# Altium PCB Wireless_Securty_Detector.PcbDoc (part 2 of 2)
Units mm, origin at the board's own origin, x right, y up, seen from the top; angles counter-clockwise.
Board outline 96 x 95 mm, 4 copper layers (Top Layer, GROUND, POWER, Bottom Layer), stack 1.369 mm thick; 127 components, 88 nets, 439 pads, 111 vias.
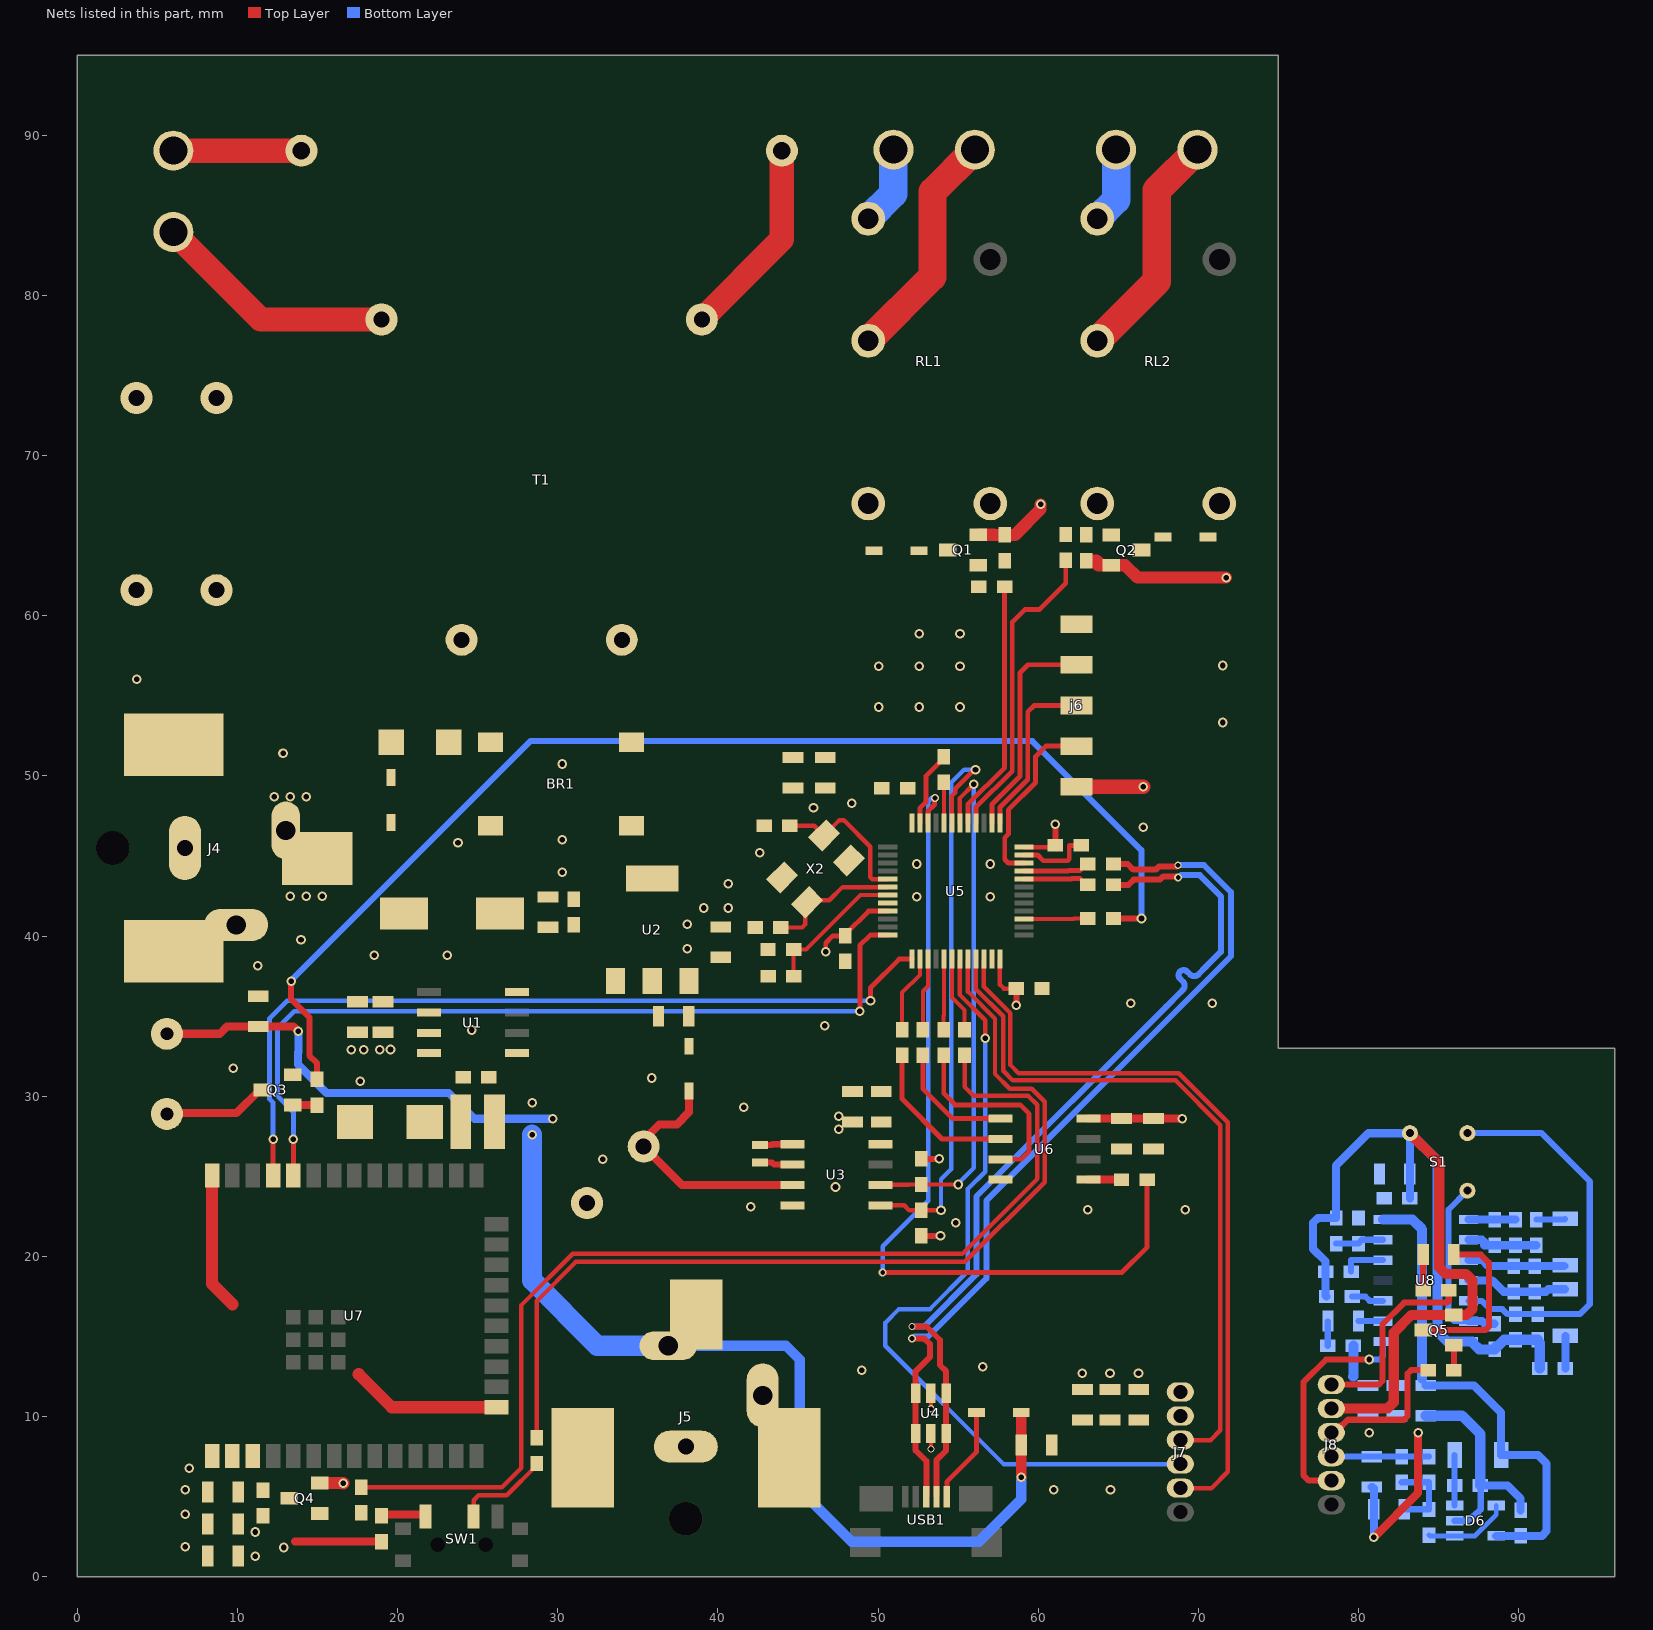
[diagram p4: the nets of this part, all layers, seen from the top]

## Via types
v1: diameter 0.6, hole 0.35, Top Layer to Bottom Layer, 82 vias
v2: diameter 0.6, hole 0.35, Top Layer to Bottom Layer, tented both sides, 21 vias
v3: diameter 0.45, hole 0.3, Top Layer to Bottom Layer, 4 vias
v4: diameter 0.5, hole 0.3, Top Layer to Bottom Layer, 3 vias
v5: diameter 0.5, hole 0.3, Top Layer to Bottom Layer, tented both sides, 1 vias

## Nets (pads, with @x,y where several pads share a name; then routed paths per layer and width w, separated by ;. In a path a pad name is that pad's centre, name@x,y a point inside that pad or via, vN(x,y) a via of type N, cw(c..) or ccw(c..) an arc to the next point about the centre after c; other vN are vias at no path point)
3.3VDC: C8.2 C9.2 C12.2 C13.2 C14.2 C17.2 C18.2 C21.2 C22.2 C23.2 C24.2 C25.2 C26.2 C27.2 C28.2 C29.2 C30.2 C31.2 D5.2 j6.1 J7.1 R17.2 R18.2 R19.1 R21.2 U2.3 U3.8 U4.5 U5.9 U5.24 U5.36 U5.48 U6.8 U7.2 | length 31.1
  Top Layer w0.254: v3(53.3,7.986) U4.5@53.3,8.945
  Top Layer w0.279: U5.24@57.613,38.563 57.613,36.977 57.861,36.728 C27.2@58.636,36.728 ; U5.36@59.113,45.563 60.968,45.563 C26.2@61.074,45.669
  Top Layer w0.305: v1(46.736,39.014) 46.736,39.573 47.18,40.018 C28.2@47.955,40.018 47.955,40.107 49.412,41.563 U5.9@50.613,41.563
  Top Layer w0.381: R17.2@52.71,26.092 v1(53.829,26.092) ; R18.2@52.716,21.285 v1(53.899,21.285) ; v2(58.636,35.682) C27.2@58.636,36.728 ; C26.2@61.074,45.669 v1(61.074,46.99)
  Top Layer w0.508: 13.588,2.2 R21.2@19,2.2 ; U6.8@63.15,28.605 64.296,28.605 C22.2@65.2,28.605 C21.2@67.208,28.605 v1(68.982,28.605)
  Top Layer w0.889: j6.1@62.4,49.32 v1(66.555,49.32)
  other v1: 11.125,1.27 12.903,1.829 11.125,2.794 62.756,12.701 64.483,12.701 66.261,12.701 47.549,27.94 47.549,28.753 38.1,39.218 38.1,40.742 39.116,41.758 40.64,41.758 40.64,43.282
3.3VDC_S: C33.2 C34.2 C38.2 C39.2 C40.2 C45.2 D6.5 J8.1 R24.2 R26.2 R32.2 RT1.2 U8.14 | length 44.8
  Top Layer w0.381: J8.1@78.3,12 81.273,12 81.496,12.223 81.496,15.761 82.855,17.12 85.522,17.12 85.636,17.234 R32.2@85.636,17.882 ; R32.2@85.639,18.085 R32.2@85.649,18.075
  Bottom Layer w0.508: C40.2@84.2,11.95 87.212,11.95 88.9,10.262 RT1.2@88.9,7.6 91.206,7.6 91.745,7.061 91.745,2.85 91.447,2.553 C45.2@90.119,2.553 89.407,2.553 89.404,2.55 D6.5@88.6,2.55
  Bottom Layer w0.635: 79.654,12.497 79.68,12.522 R26.2@79.68,14.427 ; U8.14@81.54,22.31 83.354,22.31 83.972,21.692 83.972,12.398
5VDC: BZ1.2 C3.2 C7.1 C10.2 C11.2 C32.2 D3.1 J5.1 L1.2 U1.4 U2.1 | length 85.3
  Top Layer w0.508: BZ1.2@5.6,33.9 8.9,33.9 9.35,34.35 13.509,34.35 v1(13.809,34.05)
  Top Layer w0.635: v1(58.943,6.224) C3.2@58.943,8.23 D3.1@58.943,10.008
  Bottom Layer w0.508: v1(13.809,34.05) 13.809,32.76 13.783,32.734 13.783,31.988 15.571,30.2 23.2,30.2 24.8,28.6 v1(29.7,28.6)
  Bottom Layer w0.635: J5.1@36.9,14.425 44.249,14.425 45.11,13.564 45.11,5.436 48.362,2.184 56.286,2.184 58.943,4.841 v1(58.943,6.224)
  Bottom Layer w1.27: v1(28.4,27.6) 28.4,18.5 32.475,14.425 J5.1@36.9,14.425
  other v1: 28.4,29.6
12VDC: C4.2 C5.2 D1.1 D2.1 D7.1 J4.1 RL1.5 RL2.4 U1.7
  other v1: 17.1,32.9 17.9,32.9 18.9,32.9 19.558,32.918 13.3,42.5 14.3,42.5 15.3,42.5 12.3,48.7 13.3,48.7 14.3,48.7
AC_LINE_1: J1.1 R1.1 | length 8
  Top Layer w1.524: J1.1@6,89.04 R1.1@14,89.04
AC_LINE_2: J1.2 T1.5 | length 15.3
  Top Layer w1.524: J1.2@6,83.96 11.46,78.5 T1.5@19,78.5
BUZZER: R11.2 R16.1 | length 75
  Top Layer w0.381: v1(13.36,37.186) 13.36,36.068 14.502,34.926 14.502,32.539 14.975,32.066 R16.1@14.975,31.05 ; R11.2@64.7,41.1 65.564,41.1 65.567,41.097 v1(66.446,41.097)
  Bottom Layer w0.381: v1(13.36,37.186) 13.36,37.236 28.296,52.172 59.639,52.172 66.446,45.364 v1(66.446,41.097)
GND: BR1.4 C1.2 C2.2 C3.1 C4.1 C5.1 C7.2 C8.1 C9.1 C10.1 C11.1 C12.1 C13.1 C14.1 C15.1 C16.2 C17.1 C18.1 C19.1 C20.2 C21.1 C22.1 C23.1 C24.1 C25.1 C26.1 C27.1 C28.1 C29.1 C30.1 C31.1 C32.1 D4.A J4.2 J4.3 J5.2 J5.3 j6.5 J7.2 Q1.2 Q2.2 Q3.2 Q4.2 R4.1 R5.1 R9.1 R10.1 U1.6 U2.2 U3.4 U4.2 U5.8 U5.23 U5.35 U5.47 U6.4 U7.1 U7.15 U7.38 X2.2 X2.4 | length 44
  Top Layer w0.254: v3(53.3,10.496) U4.2@53.3,11.455
  Top Layer w0.305: U5.47@52.613,47.063 52.613,47.981 52.984,48.352 52.984,49.987 54.102,51.105 R10.1@54.102,51.194 ; U5.35@59.113,45.063 59.967,45.063 60.326,44.704 61.834,44.704 61.938,44.808 61.938,45.669 C26.1@62.674,45.669
  Top Layer w0.762: U7.38@8.42,25.045 8.42,18.301 9.703,17.018 ; Q4.2@15.15,5.85 16.604,5.85 v1(16.612,5.842) ; 17.577,12.649 19.641,10.585 U7.15@26.18,10.585 ; Q1.2@56.25,65.059 57.243,65.059 57.252,65.05 R4.1@57.9,65.05 58.548,65.05 60.147,66.65 v1(60.147,66.954) ; R5.1@63,63.45 63.648,63.45 63.746,63.352 63.746,63.15 65.426,63.15 66.194,62.382 v1(71.73,62.382)
  other v1: 60.96,5.436 64.516,5.436 48.971,12.903 56.54,13.106 54.864,22.098 63.094,22.911 69.19,22.911 42.062,23.114 47.346,24.333 32.817,26.06 41.605,29.312 35.865,31.14 9.754,31.75 24.638,34.138 46.685,34.392 65.786,35.814 70.866,35.814 11.278,38.151 18.542,38.811 23.114,38.811 13.97,39.776 52.426,42.469 56.998,42.469 52.426,44.501 56.998,44.501 42.621,45.212 23.774,45.822 30.277,46.025 66.548,46.787 30.277,50.749 12.852,51.41 71.526,53.34 3.708,56.032 71.526,56.896
  other v2: 6.756,1.88 6.756,3.912 6.756,5.436 6.998,6.769 17.678,30.937 30.277,43.993 45.974,48.006 48.349,48.298 50.038,54.305 52.578,54.305 55.118,54.305 50.038,56.845 52.578,56.845 55.118,56.845 52.578,58.877 55.118,58.877
GND_S: C33.1 C34.1 C37.1 C38.1 C39.1 C40.1 C43.1 C44.1 C45.1 C46.1 C47.1 D6.2 J8.2 Q5.2 R28.1 R29.1 R30.1 R31.1 R37.1 S1.3 U8.7 | length 93.5
  Top Layer w0.508: v2(80.955,2.459) 83.718,5.222 v2(83.718,8.992)
  Top Layer w0.635: J8.2@78.3,10.5 80.013,10.5 80.028,10.516 81.822,10.516 82.194,10.888 82.194,15.24 83.304,16.35 Q5.2@85.95,16.35 86.75,16.35 87.122,16.722 87.122,18.491 86.716,18.898 85.457,18.898 85.039,19.316 85.039,25.861 S1.3@83.204,27.696
  Bottom Layer w0.381: D6.2@86,3.5 86.804,3.5 86.91,3.587 87.505,4.078 87.63,4.202 87.63,5.497 R37.1@87.6,5.7
  Bottom Layer w0.508: R28.1@78,17.5 77.94,17.56 R29.1@77.94,19.05 77.94,19.698 77.165,20.472 77.165,22.103 77.463,22.4 C37.1@78.6,22.4 78.6,25.666 80.63,27.696 S1.3@83.204,27.696 C34.1@83.204,25.146 83.204,24.263 83.21,24.257 C33.1@83.21,23.622 ; C47.1@80.823,5.6 80.859,5.6 80.955,5.504 C46.1@80.955,4.216 v2(80.955,2.459) ; R37.1@87.6,5.7 89.309,5.7 90.119,4.889 C45.1@90.119,4.153
  Bottom Layer w0.635: S1.3@83.204,27.696 84.938,25.962 84.938,15.291 85.538,14.69 87.105,14.69 87.133,14.662 87.133,14.599 87.532,14.2 C43.1@88.5,14.2 ; C40.1@84.2,10.05 86.47,10.05 87.6,8.92 R37.1@87.6,5.7 ; C43.1@88.5,14.289 88.576,14.365 88.665,14.365 89.1,14.8 R31.1@89.8,14.8 C44.1@91.2,14.8 91.2,14.711 91.313,14.598 R30.1@91.313,13.005
  other v2: 80.67,8.992
LED_DRIVER: J7.3 U5.21 | length 44.4
  Top Layer w0.279: U5.21@56.113,38.563 56.113,36.685 57.81,34.987 57.81,31.598 58.42,30.988 68.58,30.988 71.374,28.194 71.374,9.144 70.767,8.537 J7.3@68.874,8.537
LED_S: J8.3 R33.1 | length 9.2
  Top Layer w0.381: J8.3@78.3,9 78.425,9 78.88,9.456 78.984,9.456 79.333,9.804 82.835,9.804 83.058,10.028 83.058,12.68 83.281,12.903 R33.1@84.353,12.903
LIGHT_1_GND: J2.2 RL1.3 | length 5
  Bottom Layer w1.778: RL1.3@49.39,84.79 50.96,86.36 J2.2@50.96,89.1
LIGHT_1_VCC: J2.1 RL1.2 | length 14.7
  Top Layer w1.778: RL1.2@49.39,77.17 53.4,81.18 53.4,86.46 J2.1@56.04,89.1
LIGHT_2_GND: J3.2 RL2.3 | length 4.8
  Bottom Layer w1.778: RL2.3@63.69,84.79 64.86,85.96 J3.2@64.86,89.1
LIGHT_2_VCC: J3.1 RL2.2 | length 14.5
  Top Layer w1.778: RL2.2@63.69,77.17 67.4,80.88 67.4,86.56 J3.1@69.94,89.1
MCU_N: R6.1 U5.32 | length 4.2
  Top Layer w0.305: U5.32@59.113,43.563 60.591,43.563 61.62,43.563 62.068,43.563 62.099,43.593 62.618,43.593 63.011,43.2 R6.1@63.1,43.2
MCU_P: R7.1 U5.33 | length 4.2
  Top Layer w0.305: U5.33@59.113,44.063 60.554,44.063 60.554,44.076 61.856,44.076 61.886,44.107 62.618,44.107 63.011,44.5 R7.1@63.1,44.5
NetBR1_1: BR1.1 T1.9
NetBR1_2: BR1.2 T1.7
NetBR1_3: BR1.3 F1.1
NetBZ1_1: BZ1.1 Q3.3 | length 6.6
  Top Layer w0.508: BZ1.1@5.6,28.9 5.656,28.956 9.956,28.956 11.4,30.4 Q3.3@11.55,30.4
NetC1_1: C1.1 C2.1 D7.2 F1.2
NetC6_1: C6.1 U1.1
NetC6_2: C6.2 D4.C L1.1 U1.8
NetC15_2: C15.2 U5.5 X2.3 | length 9.4
  Top Layer w0.279: C15.2@44.5,46.9 46.016,46.9 X2.3@46.63,46.286 47.588,47.244 47.854,47.244 49.511,45.587 49.511,43.684 49.632,43.563 U5.5@50.613,43.563
NetC16_1: C16.1 D5.1 U3.3 | length 15.5
  Top Layer w0.508: D5.1@38.202,30.322 38.202,29.007 37.44,28.245 36.341,28.245 35.368,27.271 C16.1@35.368,26.868 37.771,24.465 U3.3@44.65,24.465
NetC19_2: C19.2 U5.6 X2.1 | length 8.5
  Top Layer w0.279: C19.2@43.929,40.538 45.259,40.538 45.446,40.725 45.446,41.99 X2.1@45.57,42.114 45.693,42.238 46.958,42.238 47.784,43.063 U5.6@50.613,43.063
NetC35_1: C35.1 R23.1 R25.2 U8.2 | length 4.5
  Bottom Layer w0.508: U8.2@86.86,21.04 87.704,21.04 87.852,20.892 87.852,20.7 C35.1@88.5,20.7 R23.1@89.8,20.7 R25.2@91.1,20.7
NetC35_2: C35.2 R23.2 U8.1 | length 2.9
  Bottom Layer w0.508: U8.1@86.86,22.31 87.704,22.31 87.714,22.3 C35.2@88.5,22.3 R23.2@89.8,22.3
NetC36_1: C36.1 C41.2 R27.2 U8.3 | length 6.1
  Bottom Layer w0.508: U8.3@86.86,19.77 87.723,19.77 88.093,19.4 R27.2@89.7,19.4 C41.2@91,19.4 ; C41.2@91.004,19.404 C36.1@92.846,19.404
NetC36_2: C36.2 R25.1 | length 1.8
  Bottom Layer w0.381: R25.1@91.1,22.3 92.85,22.3 C36.2@92.9,22.35
NetC37_2: C37.2 R24.1 U8.13 | length 3.1
  Bottom Layer w0.381: C37.2@78.6,20.8 R24.1@80,20.8 80,20.837 80.203,21.04 U8.13@81.54,21.04
NetC41_1: C41.1 C42.2 R27.1 U8.4 | length 6.4
  Bottom Layer w0.508: U8.4@86.86,18.5 88.352,18.5 89.052,17.8 R27.1@89.7,17.8 C41.1@91,17.8 91.696,17.8 91.846,17.95 C42.2@92.9,17.95
NetC42_1: C42.1 R30.2 | length 2
  Bottom Layer w0.508: R30.2@92.913,13.005 C42.1@92.913,15.037
NetC43_2: C43.2 S1.1 U8.6 | length 11.4
  Bottom Layer w0.381: S1.1@86.796,24.104 85.623,22.931 85.623,16.307 85.97,15.96 U8.6@86.86,15.96
  Bottom Layer w0.508: U8.6@86.86,15.96 87.704,15.96 87.864,15.8 C43.2@88.5,15.8
NetC44_2: C44.2 R31.2 S1.2 U8.5 | length 24.7
  Bottom Layer w0.381: S1.2@86.796,27.696 91.43,27.696 94.437,24.689 94.437,17.018 93.819,16.4 C44.2@91.2,16.4 89.297,16.4 88.983,16.715 88.219,16.715 87.704,17.23 U8.5@86.86,17.23
NetC46_2: C46.2 R34.1 R35.2 R36.1 | length 5
  Bottom Layer w0.381: R36.1@82.7,5.9 83.348,5.9 R34.1@84.4,5.9 R35.2@84.4,4.2 ; C46.2@82.856,4.216 84.383,4.216 R35.2@84.4,4.2
NetD1_2: D1.2 Q1.3 RL1.4
NetD2_2: D2.2 Q2.3 RL2.5
NetD3_2: D3.2 USB1.1 | length 6
  Top Layer w0.305: USB1.1@54.3,5 54.3,5.929 56.143,7.772 D3.2@56.143,10.262
NetD6_1: D6.1 D6.4 R35.1 | length 5.3
  Bottom Layer w0.305: R35.1@84.4,2.6 84.45,2.55 D6.1@86,2.55 87.269,2.55 88.6,3.881 D6.4@88.6,4.45
NetD6_3: D6.3 R37.2 RT1.1 | length 3.2
  Bottom Layer w0.381: D6.3@86,4.45 R37.2@86,5.7 RT1.1@86,7.6
NetJ7_5: J7.5 U5.22 | length 47.5
  Top Layer w0.279: U5.22@56.613,38.563 56.613,36.831 58.268,35.177 58.268,31.953 58.776,31.445 66.65,31.445 67.042,31.445 68.769,31.445 71.831,28.383 71.831,26.656 71.831,26.264 71.831,6.553 70.815,5.537 J7.5@68.874,5.537
NetJ8_5: J8.5 U8.8 | length 14.3
  Top Layer w0.381: J8.5@78.3,6 76.906,6 76.556,6.35 76.556,12.151 77.968,13.564 v2(80.67,13.564)
  Bottom Layer w0.381: v2(80.67,13.564) 81.311,13.564 81.534,13.787 81.534,14.14 81.54,14.146 U8.8@81.54,14.69
NetLED1_1: LED1.1 U8.9 | length 1.5
  Bottom Layer w0.381: LED1.1@80,15.96 U8.9@81.54,15.96
NetLED1_2: LED1.2 R26.1 | length 1.5
  Bottom Layer w0.381: R26.1@78.08,14.427 LED1.2@78.08,15.94
NetLED2_1: LED2.1 Q5.3 | length 10.6
  Top Layer w0.381: Q5.3@84.05,15.4 87.915,15.4 88.138,15.623 88.138,19.609 87.63,20.117 LED2.1@85.938,20.117
NetLED2_2: LED2.2 R32.1 | length 2.2
  Top Layer w0.381: R32.1@84.036,17.882 84.036,19.21 84.038,19.213 LED2.2@84.038,20.117
NetQ1_1: Q1.1 R2.2 R4.2
NetQ2_1: Q2.1 R3.2 R5.2
NetQ3_1: Q3.1 R16.2 | length 1.5
  Top Layer w0.508: Q3.1@13.45,29.45 R16.2@14.975,29.45
NetQ4_1: Q4.1 R20.2
NetQ5_1: Q5.1 R33.2 | length 1.5
  Top Layer w0.381: Q5.1@85.95,14.45 85.95,13.796 85.954,13.792 R33.2@85.954,12.903
NetR1_2: R1.2 T1.1 | length 12.6
  Top Layer w1.524: T1.1@39,78.5 44,83.5 R1.2@44,89.04
NetR2_1: R2.1 U5.41 | length 15.7
  Top Layer w0.305: U5.41@55.613,47.063 55.613,48.226 57.899,50.513 R2.1@57.899,61.824
NetR3_1: R3.1 U5.40 | length 19.3
  Top Layer w0.305: U5.40@56.113,47.063 56.113,48.036 58.382,50.305 58.382,59.601 59.182,60.401 60.096,60.401 61.722,62.027 R3.1@61.722,63.475
NetR8_1: R8.1 U5.18 | length 4.7
  Top Layer w0.254: U5.18@54.613,38.563 54.613,36.167 55.4,35.38 R8.1@55.4,34.16
NetR10_2: R10.2 U5.44 | length 2.5
  Top Layer w0.254: R10.2@54.102,49.593 54.119,49.238 54.119,48.387 54.113,48.042 U5.44@54.113,47.063
NetR11_1: R11.1 U5.27 | length 4
  Top Layer w0.254: U5.27@59.113,41.063 62.199,41.063 62.236,41.1 R11.1@63.1,41.1
NetR12_1: R12.1 U6.1 | length 7.7
  Top Layer w0.305: R12.1@52.8,32.56 52.8,30.461 54.656,28.605 U6.1@57.65,28.605
NetR13_1: R13.1 U6.3 | length 12.6
  Top Layer w0.305: R13.1@54.1,32.56 54.1,30.177 54.813,29.464 58.877,29.464 59.436,28.905 59.436,26.568 58.933,26.065 U6.3@57.65,26.065
NetR14_1: R14.1 U6.2 | length 9.9
  Top Layer w0.305: R14.1@51.5,32.56 51.5,29.831 53.996,27.335 U6.2@57.65,27.335
NetR15_1: R15.1 U6.5 | length 2.1
  Top Layer w0.508: U6.5@63.15,24.795 64.154,24.795 64.159,24.8 R15.1@65.2,24.8
NetR21_1: R21.1 SW1.1 | length 2.9
  Top Layer w0.508: R21.1@19,3.8 19.092,3.892 21.629,3.892 21.75,3.771 SW1.1@21.75,3.75
NetR22_2: R22.2 SW1.2 | length 6
  Top Layer w0.279: SW1.2@24.75,3.75 24.75,4.786 25.057,5.093 26.81,5.093 28.702,6.985 R22.2@28.702,7.074
NetR28_2: R28.2 U8.10 | length 2.1
  Bottom Layer w0.381: R28.2@79.6,17.5 80.426,17.5 80.696,17.23 U8.10@81.54,17.23
NetR29_2: R29.2 U8.12 | length 2.7
  Bottom Layer w0.381: R29.2@79.54,19.05 79.54,19.698 79.541,19.699 79.541,19.77 U8.12@81.54,19.77
NetU3_1: U3.1 X1.2 | length 2
  Top Layer w0.381: X1.2@42.621,26.966 43.375,26.966 43.414,27.005 U3.1@44.65,27.005
NetU3_2: U3.2 X1.1 | length 2.1
  Top Layer w0.381: X1.1@42.621,25.866 43.374,25.866 43.505,25.735 U3.2@44.65,25.735
NRST: C20.1 R9.2 U5.7 | length 9
  Top Layer w0.254: C20.1@44.733,37.491 44.733,38.266 44.729,38.392 R9.2@44.729,39.167 45.517,39.167 48.913,42.563 U5.7@50.613,42.563
RTC_SCL: R17.1 U3.6 U5.42 | length 33
  Top Layer w0.279: U3.6@50.15,24.465 51.908,24.465 51.935,24.492 R17.1@52.71,24.492 v1(55.01,24.492) ; U5.42@55.113,47.063 55.113,48.618 v1(55.978,49.483)
  Bottom Layer w0.279: v1(55.01,24.492) 55.01,24.556 55.978,25.524 v1(55.978,49.483)
RTC_SDA: R18.1 U3.5 U5.43 | length 36.7
  Top Layer w0.279: U3.5@50.15,23.195 51.632,23.195 51.935,22.892 R18.1@52.71,22.892 v1(53.931,22.892) ; U5.43@54.613,47.063 54.613,48.764 54.813,48.965 54.813,49.191 56.016,50.394 v1(56.083,50.394)
  Bottom Layer w0.279: v1(53.931,22.892) 53.931,24.823 54.559,25.451 54.559,49.581 55.372,50.394 v1(56.083,50.394)
SENSOR_ON/OFF: R22.1 U5.20 | length 60
  Top Layer w0.279: R22.1@28.702,8.674 28.702,17.221 31.14,19.66 55.423,19.66 60.401,24.638 60.401,29.667 59.588,30.48 58.217,30.48 57.302,31.394 57.302,34.849 55.613,36.538 U5.20@55.613,38.563
SWCLK: j6.3 U5.37 | length 10.9
  Top Layer w0.305: U5.37@57.613,47.063 57.613,48.044 59.347,49.778 59.347,54 59.747,54.4 j6.3@62.4,54.4
SWDIO: j6.2 U5.34 | length 11.4
  Top Layer w0.305: U5.34@59.113,44.563 58.132,44.563 57.912,44.783 57.912,46.145 58.136,46.369 58.136,47.884 59.83,49.578 59.83,51.206 60.483,51.86 j6.2@62.4,51.86
TDI: j6.4 U5.38 | length 13.8
  Top Layer w0.305: U5.38@57.113,47.063 57.113,48.226 58.864,49.978 58.864,56.439 59.366,56.94 j6.4@62.4,56.94
TEMP_ADC: C47.2 J8.4 R34.2 R36.2 | length 6.1
  Bottom Layer w0.381: J8.4@78.3,7.5 79.919,7.5 C47.2@80.823,7.5 R36.2@82.7,7.5 83.348,7.5 R34.2@84.4,7.5
TEMP_IN_CS: R14.2 U5.14 | length 4.9
  Top Layer w0.254: R14.2@51.5,34.16 51.5,36.469 52.613,37.582 U5.14@52.613,38.563
TEMP_IN_OT: R15.2 U5.46 | length 54.2
  Top Layer w0.305: v4(50.292,18.999) 65.227,18.999 66.8,20.572 R15.2@66.8,24.8 ; U5.46@53.113,47.063 53.113,47.798 53.527,48.213 53.527,48.59 v5(53.565,48.628)
  Bottom Layer w0.305: v4(50.292,18.999) 50.292,20.625 53.137,23.47 53.137,48.404 53.36,48.628 v5(53.565,48.628)
TEMP_IN_SCLK: R12.2 U5.15 | length 4.5
  Top Layer w0.254: R12.2@52.8,34.16 52.8,36.557 53.113,36.87 U5.15@53.113,38.563
TEMP_IN_SIO: R13.2 U5.17 | length 4.4
  Top Layer w0.254: R13.2@54.1,34.16 54.1,35.024 54.113,35.037 U5.17@54.113,38.563
TEMPERATURE_ADC: J7.4 U5.19 | length 50
  Top Layer w0.279: U5.19@55.113,38.563 55.113,36.327 56.685,34.755 v1(56.685,33.63)
  Bottom Layer w0.279: v1(56.685,33.63) 56.685,25.293 55.606,24.215 55.606,19.07 53.249,16.713 51.308,16.713 50.444,15.85 50.444,14.427 57.835,7.037 J7.4@68.874,7.037
USB_N: R6.2 U4.1 U4.6 USB1.2 | length 56.4
  Top Layer w0.373: v3(52.121,15.626) 53.025,15.626 53.867,14.784 53.867,13.716 53.867,13.21 54.25,12.826 U4.1@54.25,11.455 U4.6@54.25,8.945 54.25,7.888 53.639,7.277 53.639,5.011 USB1.2@53.65,5 ; R6.2@64.7,43.2 65.637,43.2 65.957,43.52 67.599,43.52 67.81,43.731 68.578,43.731 68.649,43.66 v4(68.738,43.66)
  Bottom Layer w0.373: v3@52.155,15.626 52.875,15.626 56.134,18.885 56.134,23.741 67.987,35.594 68.901,36.509 69.033,36.641 ccw(c68.769,36.905) 69.033,37.169 68.859,37.343 cw(c69.081,37.565) 68.859,37.786 cw(c69.081,37.565) 69.303,37.786 69.477,37.612 ccw(c69.741,37.876) 70.005,37.612 70.472,38.079 71.407,39.014 71.407,39.624 71.407,42.062 71.407,42.487 70.091,43.802 69.782,43.802 68.914,43.802 68.772,43.66 v4(68.738,43.66)
USB_P: R7.2 U4.3 U4.4 USB1.3 | length 56.3
  Top Layer w0.373: v4(52.121,14.872) 52.891,14.872 53.17,14.593 53.24,14.524 53.24,13.716 52.35,12.826 U4.3@52.35,11.455 U4.4@52.35,8.945 52.35,7.888 53.011,7.227 53.011,5.011 USB1.3@53,5 ; R7.2@64.7,44.5 65.591,44.5 65.943,44.147 67.339,44.147 67.551,44.359 68.661,44.359 v3(68.732,44.429)
  Bottom Layer w0.373: v4(52.121,14.872) 52.155,14.872 52.282,14.999 53.135,14.999 56.761,18.625 56.761,23.481 72.034,38.755 72.034,42.746 70.351,44.429 69.479,44.429 v3@68.767,44.429
WIFI_EN: R8.2 R20.1 | length 67.7
  Top Layer w0.279: R20.1@17.729,5.588 26.518,5.588 27.737,6.807 27.737,16.967 30.937,20.168 55.27,20.168 59.944,24.841 59.944,29.464 59.385,30.023 55.982,30.023 55.4,30.604 R8.2@55.4,32.56
WIFI_OUT: Q4.3 R19.2 U7.3
WIFI_RXD: U5.12 U7.34 | length 52.5
  Top Layer w0.305: U7.34@13.5,25.045 v1(13.5,27.318) ; v1(48.87,35.306) 48.87,39.421 49.512,40.063 U5.12@50.613,40.063
  Bottom Layer w0.305: v1(13.5,27.318) 13.5,29.02 12.497,30.023 12.497,34.239 13.564,35.306 v1(48.87,35.306)
WIFI_TXD: U5.13 U7.35 | length 52
  Top Layer w0.305: U7.35@12.23,25.045 v1(12.23,27.318) ; v1(49.53,35.966) 49.53,36.779 51.314,38.563 U5.13@52.113,38.563
  Bottom Layer w0.305: v1(12.23,27.318) 12.23,29.607 12.014,29.823 12.014,34.87 13.11,35.966 v1(49.53,35.966)
pads on no net: J4. J5. J7.6 J8.6 RL1.1 RL2.1 SW1. SW1.3 U1.2 U1.3 U1.5 U3.7 U5.1 U5.2 U5.3 U5.4 U5.10 U5.11 U5.16 U5.25 U5.26 U5.28 U5.29 U5.30 U5.31 U5.39 U5.45 U6.6 U6.7 U7.4 U7.5 U7.6 U7.7 U7.8 U7.9 U7.10 U7.11 U7.12 U7.13 U7.14 U7.16 U7.17 U7.18 U7.19 U7.20 U7.21 U7.22 U7.23 U7.24 U7.25 U7.26 U7.27 U7.28 U7.29 U7.30 U7.31 U7.32 U7.33 U7.36 U7.37 U8.11 USB1. USB1.4 USB1.5

## Polygon pours and split planes (outlines as drawn)
GND on Top Layer "GND_L01_P012" (solid, remove dead copper, pour order 12): 1.93,75.844 0.711,74.625 0.711,28.905 3.556,26.06 27.483,26.06 28.194,25.349 28.194,3.759 31.191,0.762 31.242,0.813 72.441,0.813 74.524,2.896 74.524,57.861 71.374,61.011 52.426,61.011 45.263,53.848 12.598,53.848 6.248,60.198 6.248,74.524 4.928,75.844
GND_S on Top Layer "GND_S_L01_P016" (solid, remove dead copper, pour order 16): 76.759,32.258 94.336,32.258 95.352,31.242 95.352,6.678 90.024,6.678 89.334,5.988 89.334,0.66 77.165,0.66 76.219,1.606 76.219,31.719
5VDC on Top Layer "Top Layer-5VDC" (solid, pour order 6): 25.4,26.6 25.6,26.4 29.4,26.4 31.3,28.3 31.3,37.1 28.4,40 28.5,39.9 30.8,39.9 32.4,38.3 32.4,36.4 32.8,36 34.3,36 34.5,36.2 34.5,38.4 31.6,41.3 28.8,41.3 28.4,41.7 28.4,42.9 24.5,42.9 24.3,42.7 24.3,40.2 26.1,38.4 26.1,36 26.3,35.8 28.5,35.8 29.3,35 29.3,30.9 28.8,30.4 25.4,30.4
NetBR1_1 on Top Layer "NETBR1_1_L01_P001" (solid, pour order 1): 32.3,59.3 33.2,60.2 35.3,60.2 39.624,55.876 39.624,47.824 37.4,45.6 33.5,45.6 33.1,46 33.1,47.6 33.6,48.1 35.9,48.1 37.1,49.3 37.1,53.28 35.3,54.9 34.966,55.262 34.7,55.5 32.3,57.643
3.3VDC on Top Layer "3.3VDC_L01_P007" (solid, pour order 7): 37.033,32.715 37.033,32.385 37.219,32.106 38.811,32.106 39.065,32.36 39.065,39.319 39.573,39.827 41.148,39.827 41.554,40.234 41.554,47.904 43.84,50.19 50.952,50.19 51.156,49.987 51.156,48.666 51.867,47.955 51.867,46.431 52.273,46.431 52.273,48.158 52.273,48.362 52.476,48.565 52.476,49.936 50.444,51.968 43.739,51.968 41.046,49.276 40.335,48.565 40.335,45.212 37.033,41.91
GND on Top Layer "Top Layer-GND" (solid, pour order 11): 8.484,0.508 8.839,0.508 8.992,0.66 8.992,8.585 9.072,8.615 12.395,11.938 17.78,11.938 18.288,12.446 18.288,17.424 17.729,17.983 10.058,17.983 7.671,15.596 7.671,9.48 5.994,7.803 5.994,1.422 6.909,0.508
NetC1_1 on Top Layer "NETC1_1_L01_P003" (solid, pour order 3): 18.2,49.3 7.7,59.8 6.9,60.6 6.9,75 7.2,75.3 9.9,75.3 10.2,75 10.496,62.228 18.858,53.6 20.822,53.6 21.2,53.222 21.2,49.3 20.7,48.8 18.7,48.8
NetBR1_2 on Top Layer "NETBR1_2_L01_P000" (solid, pour order 0): 23.216,60.3 22.5,59.584 22.5,57.307 23.062,56.745 26.511,56.549 32.475,50.851 35.651,50.851 36.119,51.319 36.119,52.881 35.711,53.289 33.711,53.289 26.7,60.3
GND on Bottom Layer (solid, pour order 19): 5.74,1.168 6.299,0.61 72.695,0.61 73.558,1.473 73.558,60.35 72.796,61.112 51.359,61.112 44.044,53.797 8.585,53.797 5.944,56.439 5.944,62.078 4.724,63.297 2.184,63.297 0.559,61.671 0.559,39.699 3.164,37.055 9.84,36.955 10.414,36.373 12.954,36.373 12.954,29.915 14.768,28.029 23.467,27.689 26.822,24.333 26.822,5.537 26.111,4.826 7.934,4.826 7.759,5.001 7.759,7.072 7.318,7.512 6.544,7.512 5.754,6.723 5.754,4.484 5.74,4.47
GND_S on Bottom Layer "GND_S_L04_P017" (solid, remove dead copper, pour order 17): 76.759,32.258 94.336,32.258 95.352,31.242 95.352,1.676 94.336,0.66 77.165,0.66 76.219,1.606 76.219,31.719
3.3VDC on POWER (split plane): 12.751,54.153 46.177,54.153 46.177,69.596 73.937,69.596 73.937,0.51 0.51,0.51 0.51,5.69 8.89,5.69 8.89,26.06 0.51,26.06 0.51,75.235 12.751,75.235
12VDC on POWER (split plane): 51.518,67.883 51.518,65.6 51.528,65.527 51.556,65.459 51.601,65.401 53.501,63.501 53.559,63.456 53.627,63.428 53.7,63.418 65.9,63.418 65.973,63.428 66.021,63.448 66.041,63.456 66.099,63.501 68.499,65.901 68.544,65.959 68.572,66.027 68.582,66.1 68.582,67.183 70.017,68.618 71.983,68.618 72.918,67.683 72.918,62.141 71.659,60.882 56.942,60.882 56.869,60.872 56.801,60.844 56.743,60.799 43.526,47.582 22.764,47.582 22.691,47.572 22.623,47.544 22.564,47.499 20.476,45.411 20.432,45.353 20.423,45.333 20.403,45.285 20.394,45.212 20.394,37.897 20.394,33.934 20.394,32.019 20.254,31.879 16.319,31.879 15.369,32.829 15.369,39.012 15.361,39.077 15.36,39.085 15.348,39.113 15.332,39.153 15.321,39.167 15.287,39.212 11.382,43.117 11.382,50.183 12.117,50.918 15.583,50.918 17.201,49.301 17.259,49.256 17.327,49.228 17.4,49.218 42.794,49.218 42.867,49.228 42.935,49.256 42.994,49.301 47.545,53.852 47.57,53.885 47.59,53.91 47.601,53.938 47.618,53.978 47.627,54.051 47.627,68.529 48.117,69.018 50.383,69.018
3.3VDC_S on POWER (split plane): 95.49,0.51 76.075,0.51 76.075,32.49 95.49,32.49
5VDC on POWER (split plane): 31.621,30.169 31.621,28.403 28.38,25.163 28.333,25.105 28.297,25.039 28.276,24.967 28.268,24.892 28.268,19.355 28.276,19.28 28.297,19.208 28.333,19.142 28.38,19.084 30.209,17.255 30.267,17.208 30.333,17.172 30.405,17.151 30.48,17.143 38.805,17.143 40.156,15.793 40.156,14.179 38.246,12.27 28.759,12.27 26.189,14.84 26.189,29.763 27.032,30.605 31.185,30.605
GND_S on GROUND (split plane): 95.49,0.51 76.126,0.51 76.126,32.49 95.49,32.49
GND on GROUND (split plane): 12.751,54.153 46.177,54.153 46.177,69.596 73.836,69.596 73.836,0.51 0.51,0.51 0.51,5.74 8.992,5.74 8.992,25.959 0.51,25.959 0.51,75.235 12.751,75.235

## Keep-outs
Keep-Out Layer:
  the board outline again, w0.254

## Other copper
Top Layer:
  region: 94.261,4.718 94.227,4.54 94.196,4.315 93.829,4.126 93.948,4.062 94.191,3.948 94.214,3.797 94.252,3.541 94.451,3.74 94.544,3.833 94.953,3.763 94.757,4.124 94.852,4.305 94.941,4.493 94.757,4.46 94.549,4.429 94.4,4.571
  region: 93.71,5.143 93.66,5.224 93.54,5.387 93.417,5.519 93.273,5.642 93.118,5.75 92.903,5.867 92.753,5.928 92.549,5.989 92.387,6.018 92.303,6.026 91.86,6.025 91.606,5.97 91.349,5.876 91.044,5.696 90.857,5.546 90.677,5.354 90.531,5.147 90.446,4.983 90.364,4.776 90.303,4.584 90.275,4.385 90.272,4.15 90.273,3.984 90.288,3.853 90.315,3.74 90.369,3.561 90.457,3.357 90.533,3.218 90.601,3.112 90.727,2.957 90.886,2.799 91.071,2.655 91.22,2.563 91.4,2.475 91.601,2.403 91.799,2.356 91.999,2.339 92.245,2.339 92.429,2.355 92.633,2.4 92.855,2.482 93.156,2.647 93.308,2.759 93.494,2.938 93.609,3.074 93.71,3.227 93.701,3.232 93.67,3.207 93.621,3.16 93.535,3.081 93.423,2.992 93.132,2.841 92.95,2.785 92.83,2.762 92.753,2.754 92.479,2.751 92.213,2.801 91.91,2.93 91.675,3.095 91.484,3.294 91.396,3.42 91.336,3.52 91.275,3.656 91.222,3.807 91.191,3.949 91.188,4.419 91.243,4.622 91.319,4.813 91.437,5.014 91.57,5.173 91.755,5.342 91.997,5.486 92.191,5.562 92.463,5.618 92.787,5.616 92.979,5.579 93.194,5.504 93.389,5.398 93.527,5.294 93.666,5.178 93.708,5.144
  region net NetJ8_5: 77.267,6.198 77.724,6.655 78.943,6.655 79.197,6.401 79.197,5.639 78.892,5.334 77.724,5.334 77.267,5.791 77.267,5.842
  region net 3.3VDC_S: 79.197,12.168 79.197,11.836 79.144,11.709 78.842,11.406 77.673,11.406 77.419,11.66 77.419,12.422 77.622,12.625 78.892,12.625 79.089,12.428
  region net LED_S: 79.248,9.195 79.248,8.788 78.842,8.382 77.673,8.382 77.419,8.636 77.419,9.5 77.572,9.652 78.892,9.652 79.176,9.368
  region net GND_S: 79.197,10.82 79.197,10.668 79.197,10.262 78.842,9.906 77.673,9.906 77.419,10.16 77.419,10.922 77.622,11.125 78.892,11.125
  pour cut-out: 28.296,39.776 31.598,39.776 32.563,38.811 32.563,35.509 32.309,35.255 30.531,35.255 28.296,37.49 28.296,39.726
  pour cut-out: 63.551,45.263 69.24,45.263 69.698,44.806 69.698,43.282 68.936,42.52 60.757,42.52 59.995,43.282 59.995,45.009 60.3,45.314 63.5,45.314
  region net NetD1_2: 51.968,63.5 55.016,63.5 55.118,63.602 55.118,65.684 55.22,65.786 57.963,65.786 58.572,66.396 58.572,68.021 58.217,68.377 55.677,68.377 51.765,64.465 55.677,68.377 51.765,64.465 51.765,63.703
  region net 12VDC: 22.8,34.5 20.1,34.5 19.7,34.9 16.7,34.9 16.5,34.7 16.5,32.9 16.9,32.5 20.1,32.5 20.3,32.7 20.3,33.3 20.4,33.4 22.8,33.4 23,33.6 23,34.3
  region net 3.3VDC: 9.144,0.965 9.55,0.559 12.802,0.559 14.224,1.981 14.224,2.438 13.792,2.87 13.284,2.87 12.421,2.87 12.192,3.099 12.192,4.318 12.04,4.47 11.024,4.47 10.668,4.826 10.668,5.842 10.262,6.248 10.262,8.433 10.16,8.534 9.347,8.534 9.144,8.331
  region net NetQ4_1: 14.732,4.674 14.427,4.369 14.427,3.454 14.58,3.302 18.085,3.302 18.288,3.505 18.288,4.42 18.034,4.674 15.951,4.674
  region net WIFI_OUT: 10.617,8.534 10.465,8.382 10.465,6.655 11.176,5.944 11.176,4.877 11.227,4.826 12.243,4.826 12.649,4.42 13.919,4.42 13.97,4.47 13.97,5.436 13.868,5.537 12.751,5.537 11.532,6.756 11.532,8.382 11.379,8.534 11.074,8.534
  region net 12VDC: 70.764,68.529 69.698,67.462 69.698,64.516 70.002,64.211 71.679,64.211 72.695,65.227 72.695,68.123 72.288,68.529 70.815,68.529
  region net NetD2_2: 62.738,65.888 62.484,66.142 62.484,67.818 62.941,68.275 65.43,68.275 68.529,65.176 68.529,64.516 67.564,63.551 65.888,63.551 65.735,63.703 65.735,65.43 65.278,65.888
  region net NetQ2_1: 61.011,65.583 61.011,64.516 61.112,64.414 65.176,64.414 65.329,64.567 65.329,65.532 65.176,65.684 61.112,65.684
  region net NetQ1_1: 55.524,63.551 55.524,61.519 55.88,61.163 56.744,61.163 57.099,61.519 57.099,62.23 57.455,62.586 58.318,62.586 58.725,62.992 58.725,63.856 58.42,64.16 56.134,64.16 55.778,63.805 56.134,64.16 55.778,63.805
  region net 12VDC: 48.006,68.58 47.803,68.377 47.803,64.465 48.971,63.297 50.343,63.297 51.054,64.008 51.054,68.174 50.648,68.58 49.987,68.58 50.648,68.58 49.987,68.58
  region net 3.3VDC: 61.537,11.38 61.537,12.65 62.045,13.158 67.328,13.158 67.503,12.983 67.503,12.65 67.503,12.271 67.581,12.193 69.614,12.193 69.817,11.989 69.817,11.481 69.817,11.38 69.817,11.137 69.818,11.122 69.609,10.923 61.994,10.923
  region net 3.3VDC: 50.851,29.159 51.156,28.854 51.156,26.721 51.003,26.568 48.412,26.568 47.092,27.889 47.092,28.854 47.396,29.159 50.8,29.159
  region net NetC6_1: 25.617,33.2 25.1,32.724 25.1,30.7 25.2,30.6 26.5,30.6 28.3,30.6 28.4,30.7 28.4,32.3 28.4,33.1 28.3,33.2
  region net NetC6_2: 20.8,32.9 21,33.1 23,33.1 23.1,33 23.1,31.9 23.2,31.8 24.7,31.8 24.8,31.7 24.8,26.3 24.7,26.2 20.6,26.2 20.3,26.5 20.3,30.7 20.8,31.2 20.8,31.9
  region net 12VDC: 19.721,48.3 15.2,48.3 14.4,49.1 12.7,49.1 11.8,49.1 11.6,48.9 11.6,48 11.6,43.1 12.6,42.1 16.6,42.1 17.7,43.2 17.7,45.1 17.9,45.3 19.8,45.3 20.269,45.769 20.269,47.752
  region net NetBR1_3: 22.2,53.3 21.9,53 21.9,51.3 22.4,50.8 26.6,50.8 27,51.2 27,53.1 26.8,53.3
Bottom Layer:
  region net 3.3VDC_S: 82.296,22.809 82.55,22.555 82.499,22.504 82.245,22.504 82.245,22.758
  region net 3.3VDC_S: 83.662,13.369 83.103,12.81 83.103,12.759 84.417,12.759 84.679,12.707 84.379,13.208 84.271,13.369
  region net 3.3VDC_S: 79.096,12.903 79.362,13.17 79.997,13.17 80.213,12.954 80.213,12.763 79.235,12.763
  region net 3.3VDC_S: 79.451,22.911 79.451,21.895 79.553,21.793 82.144,21.793 82.347,21.996 82.347,25.502 81.89,25.959 80.315,25.959 79.451,25.095
  region net TEMP_ADC: 79.299,7.671 79.018,8.013 78.941,8.128 77.673,8.128 77.419,7.874 77.419,7.061 77.622,6.858 78.892,6.858 79.197,7.162 79.299,7.315
  region net GND_S: 77.673,11.125 77.419,10.871 77.419,10.109 77.673,9.855 79.197,9.855 80.416,8.636 83.715,8.636 84.794,9.083 85.242,9.754 85.242,10.363 85.232,10.403 85.091,10.668 84.785,11.125 83.16,11.125
  region net 3.3VDC_S: 77.267,12.659 77.267,11.532 77.419,11.379 84.836,11.379 85.054,11.597 85.09,11.684 85.09,12.192 84.839,12.799 84.684,12.954 77.43,12.954
  region net 5VDC: 35.56,16.002 34.595,15.037 34.595,13.868 35.814,12.649 37.998,12.649 39.624,14.122 39.624,14.732 38.506,16.002
  region net 5VDC: 27.4,26.5 27.8,26.1 29.026,26.1 29.384,26.5 29.853,26.5 30.1,26.747 30.1,29.996 29.796,30.3 25.6,30.3 25.3,30 25.3,29 25.1,28.8 25.1,28.4 25.3,28.2 25.3,26.872 25.672,26.5
GROUND (plane layer: these items are gaps in the copper):
  rectangle: 54.346,21.455 55.576,22.656
  rectangle: 77.354,9.517 79.211,11.508
  rectangle: 67.868,8.972 69.913,11.129
  rectangle: -0.305,5.74 8.992,25.959
  rectangle: 0.203,75.235 75.184,94.894
  rectangle: 45.72,69.596 75.133,95.199
  rectangle: 12.751,54.153 46.177,95.148
  lines w1.27: 74.473,0.152 74.473,94.539 ; 75.082,0.102 75.082,33.122 ; 75.489,0.203 75.489,32.715
POWER (plane layer: these items are gaps in the copper):
  rectangle: -0.356,5.69 8.89,26.06
  rectangle: 12.751,54.153 46.177,95.148
  rectangle: 0.203,75.235 75.184,94.894
  rectangle: 45.72,69.596 75.133,95.199
  lines w0.559: 11.1,43 15.088,39.012 15.088,32.712 16.202,31.598 20.371,31.598 20.676,31.902 20.676,33.934 20.676,37.897 20.676,45.212 22.764,47.3 43.642,47.3 56.942,60.6 71.776,60.6 73.2,62.024 73.2,67.8 72.1,68.9 69.9,68.9 68.3,67.3 68.3,66.1 65.9,63.7 64.7,63.7 53.7,63.7 51.8,65.6 51.8,68 50.5,69.3 48,69.3 47.346,68.646 47.346,54.051 42.794,49.5 17.4,49.5 15.7,51.2 12,51.2 11.1,50.3 11.1,43
  lines w0.762: 25.806,14.681 28.6,11.887 38.405,11.887 40.538,14.021 40.538,15.951 38.964,17.526 30.48,17.526 28.651,19.355 28.651,24.892 32.004,28.245 32.004,30.328 31.344,30.988 30.175,30.988 26.873,30.988 25.806,29.921 25.806,14.681
  lines w1.27: 74.574,0.051 74.574,94.386 ; 75.032,0.152 75.032,33.071 ; 75.438,0.051 75.438,32.868

## Silkscreen, mask and mechanical layers (free items; w line width, h text height)
Top Overlay:
  drawing of 891 lines, arcs and shapes, not listed
  text "AC" at 5.991,93.178 h1
  text "12V" at 13.967,51.914 h1
  text "PROG." at 70.152,46.326 h1
  text "SENSOR" at 73.46,24.279 h1 r90
  text "5V" at 30.528,16.964 h1
  text "WiFi_sec_det_v01" at 73.46,2.384 h1 r90
Bottom Overlay:
  drawing of 311 lines, arcs and shapes, not listed
  text "WiFi_sec_det_v01" at 90.122,31.033 h0.9
  text "MAIN" at 90.1,29.5 h1
  text "TP_GND" at 81.259,29.183 h0.8
Bottom Solder:
  region: 77.8,28.5 76.8,27.5 77.8,26.5 78.8,27.5
Route Tool Path:
  lines w0.3: 75.15,9.4 75.15,9.5 ; 75.15,9.9 75.15,10 ; 75.15,10.4 75.15,10.5 ; 75.15,10.9 75.15,11 ; 75.15,17.65 75.15,17.75 ; 75.15,18.15 75.15,18.25 ; 75.15,18.65 75.15,18.75 ; 75.15,19.15 75.15,19.25 ; 75.15,25.9 75.15,26 ; 75.15,26.4 75.15,26.5 ; 75.15,26.9 75.15,27 ; 75.15,27.4 75.15,27.5 ; 75.85,9.4 75.85,9.5 ; 75.85,9.9 75.85,10 ; 75.85,10.4 75.85,10.5 ; 75.85,10.9 75.85,11 ; 75.85,17.65 75.85,17.75 ; 75.85,18.15 75.85,18.25 ; 75.85,18.65 75.85,18.75 ; 75.85,19.15 75.85,19.25 ; 75.85,25.9 75.85,26 ; 75.85,26.4 75.85,26.5 ; 75.85,26.9 75.85,27 ; 75.85,27.4 75.85,27.5
  lines w1: 2.1,7.3 2.1,25.6 1.6,25.6 1.6,7.2 0.9,7.2 0.9,25.4 0.4,25.4 0.3,25.4 0.3,7.2 -0.5,7.2 ; 75.5,8.65 75.5,-0.5 ; 75.5,11.75 75.5,16.9 ; 75.5,20 75.5,25.15 ; 75.5,28.25 75.5,33.5 ; -0.5,7.2 -0.5,25.6 ; -0.5,7.2 2.9,7.2 2.9,25.6 -0.5,25.6 ; -0.5,7.2 -0.5,-0.5 4.6,-0.5 75.5,-0.5 ; -0.5,25.6 -0.5,25.6 ; -0.5,25.6 -0.5,26.4 -0.5,95.5 75.5,95.5 75.5,33.5 ; 75.5,-0.5 96.5,-0.5 96.5,33.5 75.5,33.5 ; -0.5,26 -0.5,26

## Text inside footprints (layer, text, board x,y; h text height)
BR1: Top Overlay "~" at 33.87,46.6 h1.52 r90; Top Overlay "~" at 33.87,51.7 h1.52 r90
S1: Top Overlay "D" at 85.3,23.6 h1; Top Overlay "S" at 87.7,26.2 h1; Top Overlay "G" at 84.1,28.2 h1
T1: Top Overlay "OUTPUT" at 38.436,53.117 h1; Top Overlay "INPUT" at 17.466,82.834 h1